# Altium PCB Remoter.PcbDoc
Units mm, origin at the board's own origin, x right, y up, seen from the top; angles counter-clockwise.
Board outline 97.99 x 57.6 mm, 2 copper layers (Top Layer, Bottom Layer); 85 components, 80 nets, 346 pads, 0 vias.
Unrouted connection lines stored in the file: 2.
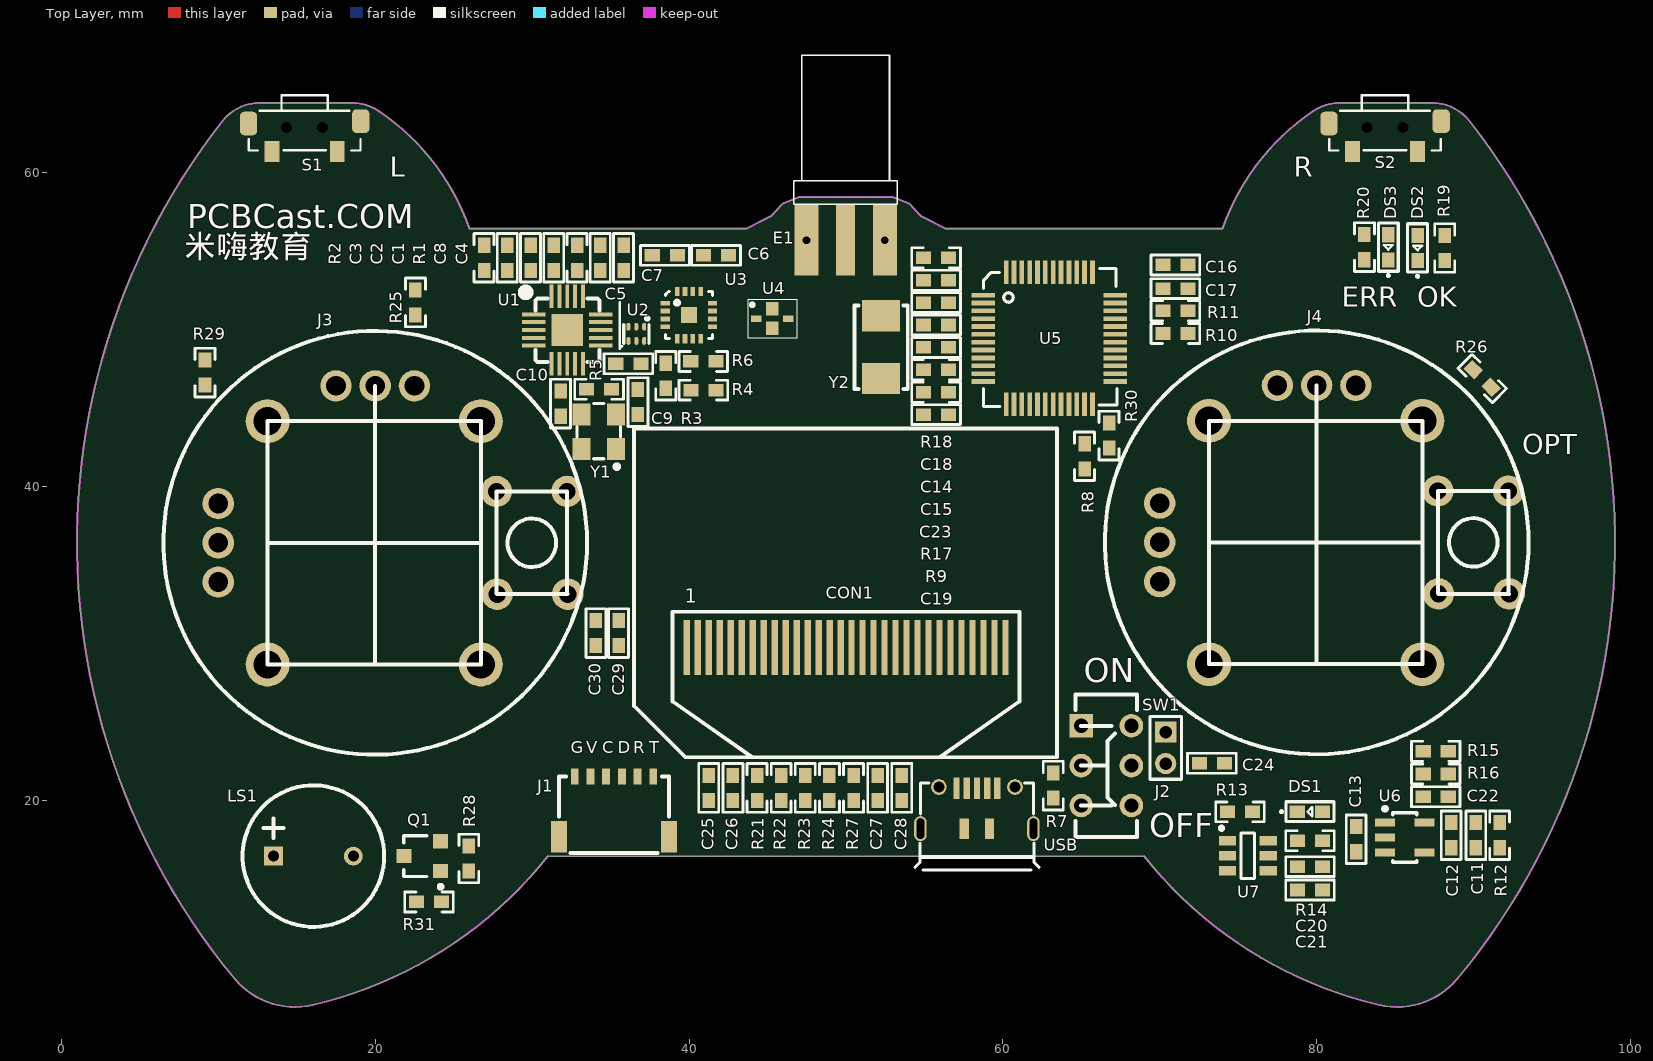
[diagram p0: Top Layer view]
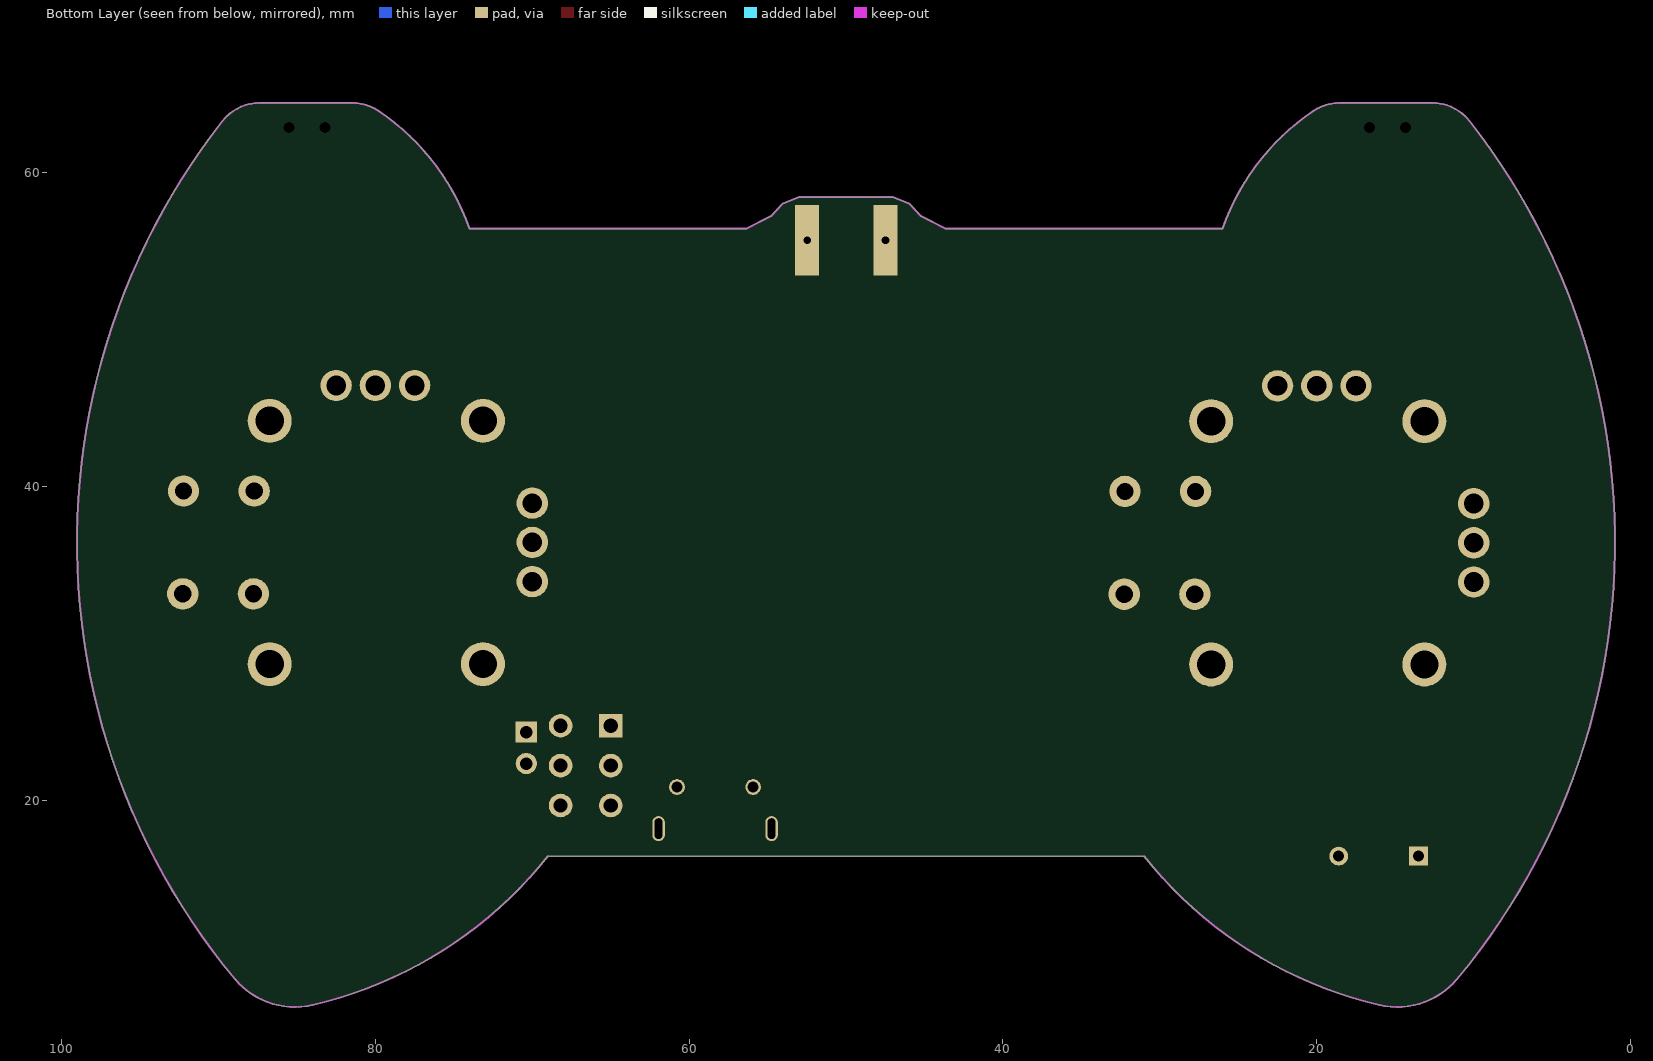
[diagram p1: Bottom Layer view, seen from below]

## Layer stack, top to bottom
Top Solder: solder mask 0.0102, Solder Resist, Dk 3.5
Top Layer: signal copper 0.0356
Dielectric 1: dielectric 0.32, FR-4, Dk 4.8
Bottom Layer: signal copper 0.0356
Bottom Solder: solder mask 0.0102, Solder Resist, Dk 3.5

## Board outline
11.043,8.621 ccw(c14.888,11.816) 16.027,6.948 ccw(c9.88,33.239) 31.001,16.42 69,16.42 ccw(c90.122,33.239) 83.975,6.948 ccw(c85.113,11.816) 88.959,8.621 ccw(c55.501,36.42) 89.723,63.272 ccw(c87.363,61.42) 87.363,64.42 81.457,64.42 ccw(c81.457,61.42) 79.782,63.909 ccw(c88.158,51.465) 74,56.42 56.326,56.42 54.777,57.212 54.027,58.011 53.001,58.42 47.001,58.42 45.975,58.011 45.224,57.212 43.675,56.42 26.001,56.42 ccw(c11.843,51.465) 20.219,63.909 ccw(c18.544,61.42) 18.544,64.42 12.638,64.42 ccw(c12.638,61.42) 10.278,63.272 ccw(c44.501,36.42)

## Design rules (kind name [scope] priority, off if disabled: settings)
Clearance [All] p1: gap=0.152 ignorepadtopadclearanceinfootprint=FALSE
ComponentClearance [All] p1: gap=0 collisioncheckmode=3 verticalgap=0 showdistances=FALSE
Height [All] p1: minheight=0 maxheight=1270 prefheight=1270
HoleSize [All] p1: absolutevalues=TRUE maxlimit=25.4 minlimit=0.025 maxpercent=80.000 minpercent=20.000
HoleToHoleClearance [All] p1: gap=0.152 allowstackedmicrovias=TRUE
MinimumSolderMaskSliver [All] p1: minsoldermaskwidth=0.102
PolygonConnect [All] p1: thpad.connectstyle=Direct thpad.reliefconductorwidth=0.254 thpad.reliefentries=4 thpad.polygonreliefangle="90 Angle" thpad.airgapwidth=0.254 smdpad.connectstyle=Relief smdpad.reliefconductorwidth=0.254 smdpad.reliefentries=4 smdpad.polygonreliefangle="90 Angle" smdpad.airgapwidth=0.254 via.connectstyle=Direct via.reliefconductorwidth=0.254 via.reliefentries=4 via.polygonreliefangle="90 Angle" via.airgapwidth=0.254
RoutingVias [All] p1: holewidth=0.305 width=0.508 viastyle="Through Hole" minholewidth=0.305 minwidth=0.508 maxholewidth=0.305 maxwidth=0.508
SilkToSilkClearance [All] p1: silktosilkclearance=0
SilkToSolderMaskClearance [IsPad] p1: minsilkscreentomaskgap=0 clearancetoexposedcopper=TRUE
SolderMaskExpansion [All] p1: expansion=0.102
Width Width_Power [InNetClass('Power')] p1: maxlimit=0.889 minlimit=0.152 preferedwidth=0.381
Width [All] p2: maxlimit=0.889 minlimit=0.152 preferedwidth=0.254
23 further rules are at their usual default settings.

## Classes and differential pairs
net class Power: 3.3V 3.3VA 5V AGND GND N_GND VCC

## Components (designator, comment, footprint, x,y, rotation, side; value= is the part's Value field where it differs from the comment)
C1 "333" C0603 31.382,54.556 r90 top
C2 "103" C0603 29.9,54.556 r270 top
C3 "104" C0603 28.418,54.556 r270 top
C4 "104" C0603 35.827,54.556 r270 top
C5 "222" C0603 36.132,47.8 r0 top
C6 "10uF" C0603 41.72,54.709 r180 top
C7 "103" C0603 38.459,54.709 r0 top
C8 "221" C0603 34.345,54.556 r270 top
C9 "22pF" C0603 36.741,45.361 r90 top
C10 "22pF" C0603 31.814,45.26 r90 top
C11 "10uF" C0603 90.132,17.762 r90 top
C12 "104" C0603 88.557,17.762 r90 top
C13 "10uF" C0603 82.504,17.51 r90 top
C14 "22pF" C0603 55.74,51.7 r0 top
C15 "22pF" C0603 55.74,50.273 r0 top
C16 "104" C0603 70.993,54.099 r180 top
C17 "104" C0603 70.993,52.589 r180 top
C18 "104" C0603 55.74,53.128 r0 top
C19 "104" C0603 55.74,44.561 r0 top
C20 "10uF" C0603 79.566,15.76 r180 top
C21 "104" C0603 79.566,14.272 r180 top
C22 "104" C0603 87.579,20.215 r0 top
C23 "104" C0603 55.74,48.845 r0 top
C24 "104" C0603 73.317,22.349 r0 top
C25 "1uF" C0603 41.258,20.774 r90 top
C26 "1uF" C0603 42.795,20.774 r90 top
C27 "10uF" C0603 52.019,20.774 r270 top
C28 "2.2uF" C0603 53.556,20.774 r270 top
C29 "104" C0603 35.509,30.642 r270 top
C30 "104" C0603 34.061,30.642 r270 top
CON1 "OLED 0.96" OLED_0.96-L 60.158,29.715 r180 top
DS1 "LED" LED0603 79.554,19.261 r0 top
DS2 "LED" LED0603 86.423,55.179 r90 top
DS3 "LED" LED0603 84.554,55.223 r90 top
E1 "ANTENNA" SMA-KHD 49.975,55.674 r270 top
J1 "SM06B-SRSS-TB" SM06B-SRSS-TB 35.217,19.58 r0 top
J2 "Header 2" HDR1X2-2MM 70.371,23.33 r270 top
J3 "Rocker" ROCKER-RKJXV1224005 24.321,34.744 r180 top locked
J4 "Rocker" ROCKER-RKJXV1224005 84.308,34.769 r180 top locked
LS1 "BEEP" BEEP-9 13.526,16.431 r0 top
Q1 "S8050" SOT-23R 23.127,16.431 r90 top
R1 "22K" R0603 32.863,54.556 r90 top
R2 "0R" R0603 26.937,54.556 r90 top
R3 "1K" R0603 38.519,47.038 r90 top
R4 "10K" R0603 40.913,46.123 r180 top
R5 "1M" R0603 34.265,46.174 r180 top
R6 "22K" R0603 40.907,47.952 r0 top
R7 "1K" R0603 63.208,20.927 r90 top
R8 "10K" R0603 65.204,41.907 r270 top
R9 "10R" R0603 55.74,45.989 r0 top
R10 "10R" R0603 70.993,49.73 r0 top
R11 "10R" R0603 70.993,51.181 r0 top
R12 "10R" R0603 91.648,17.762 r90 top
R13 "1K" R0603 75.103,19.25 r180 top
R14 "600R" R0603 79.566,17.406 r0 top
R15 "49.9K" R0603 87.579,23.111 r0 top
R16 "49.9K" R0603 87.579,21.663 r180 top
R17 "10K" R0603 55.74,47.417 r180 top
R18 "10K" R0603 55.74,54.556 r0 top
R19 "1K" R0603 88.15,55.179 r90 top
R20 "1K" R0603 83.032,55.234 r90 top
R21 "4.7K" R0603 44.332,20.774 r90 top
R22 "4.7K" R0603 45.87,20.774 r90 top
R23 "4.7K" R0603 47.407,20.774 r90 top
R24 "4.7K" R0603 48.944,20.774 r90 top
R25 "0" R0603 22.568,51.711 r90 top
R26 "0" R0603 90.538,46.867 r135 top
R27 "750K" R0603 50.481,20.774 r90 top
R28 "1K" R0603 25.972,16.281 r270 top
R29 "0" R0603 9.157,47.241 r90 top
R30 "0" R0603 66.764,43.228 r90 top
R31 "10K" R0603 23.432,13.51 r0 top
S1 "KEY" KEY-3X6X3.5-C 15.507,62.862 r0 top locked
S2 "KEY" KEY-3X6X3.5-C 84.348,62.862 r0 top locked
SW1 "SWITCH-4" SW-MSS22D18G2 64.986,24.737 r270 top
U1 "NRF24L01" QFN20 32.24,49.954 r0 top
U2 "2450BM14A0002" 0603-6 36.64,49.71 r270 top
U3 "RFX2401C" QFN-16 39.992,50.91 r0 top
U4 "2450BP14D0100" BALUN_250BP 45.301,50.688 r0 top
U5 "STM32F103C8T6" LQFP-48 62.954,49.425 r0 top
U6 "RT9193-3.3" SOT-23-5 85.603,17.612 r0 top
U7 "TP4059" SOT23-6 75.603,16.456 r0 top
USB "USB-B(Mini)" USB-MICROUSB 58.344,20.758 r180 top (schematic designator USB_SLAVE1)
Y1 "16MHz" X-TSX-3225 34.252,43.482 r90 top
Y2 "8MHz" X-NX5032GA 52.235,48.867 r270 top

## Footprints (in the part's own frame and the unit in brackets; to place one, negate y for a bottom-side part, rotate by r counter-clockwise, add the part's x,y. Pads: shape width x height; smd on the part's side, far side on the other; paste and mask are expansions set on the pad)
0603-6 [mm]
  oval 0.5x0.25 smd: 1(-0.45,0.5) 2(-0.45,0) 3(-0.45,-0.5) 4(0.45,-0.5) 5(0.45,0) 6(0.45,0.5)
  silkscreen extent -1.05,-0.8 0.6,0.8, body extent -0.4,-0.8 0.4,0.8, height 0.6
BALUN_250BP [mm]
  rect 0.8x0.85 smd: 1(0,0.622) 3(0,-0.622)
  rect 0.65x0.4 smd: 2(1.016,-0.013) 4(-1.016,-0.013)
  silkscreen extent -1.57,-1.23 1.6,1.23, body extent -1.02,-0.65 1.02,0.62, height 1.02
BEEP-9 [mm]
  rect 1.2x1.2 hole 0.7: 1(0,0)
  round 1.2 hole 0.7: 2(5.08,0)
  silkscreen extent -1.97,-4.51 7.05,4.51, body extent -1.98,-4.49 7.02,4.51, height 5
C0603 [mm] "Chip Capacitor, Body 1.6x0.8mm, IPC High Density"
  rect 0.965x0.8 smd: 1(-0.8,0) 2(0.8,0)
  silkscreen extent -1.55,-0.64 1.55,0.64, body extent -1.23,-0.4 1.23,0.4, height 0.8
HDR1X2-2MM [mm]
  rect 1.35x1.35 hole 0.8: 1(-1,0)
  round 1.35 hole 0.8: 2(1,0)
  silkscreen extent -2,-1 2,1
KEY-3X6X3.5-C [mm]
  rect 0.95x1.34 smd: 1(-2.075,-1.52) 2(2.075,-1.52)
  rrect50% 1.1x1.5 smd: ""(-3.575,0.25) ""(3.575,0.4)
  round 0 hole 0.7 unplated: ""(-1.15,0) ""(1.15,0)
  silkscreen extent -3.56,-1.47 3.56,2.05, body extent -3.9,-1.73 3.9,1.87, height 3.5
LED0603 [mm]
  rect 0.965x0.8 smd: 1(0.8,0) 2(-0.8,0)
  silkscreen extent -1.87,-0.64 1.55,0.64, body extent -0.8,-0.4 0.8,0.4, height 0.6
LQFP-48 [mm]
  rect 1.5x0.3 smd: 1(-4.2,2.75) 2(-4.2,2.25) 3(-4.2,1.75) 4(-4.2,1.25) 5(-4.2,0.75) 6(-4.2,0.25) 7(-4.2,-0.25) 8(-4.2,-0.75) 9(-4.2,-1.25) 10(-4.2,-1.75) 11(-4.2,-2.25) 12(-4.2,-2.75) 25(4.2,-2.75) 26(4.2,-2.25) 27(4.2,-1.75) 28(4.2,-1.25) 29(4.2,-0.75) 30(4.2,-0.25) 31(4.2,0.25) 32(4.2,0.75) 33(4.2,1.25) 34(4.2,1.75) 35(4.2,2.25) 36(4.2,2.75)
  rect 0.3x1.5 smd: 13(-2.75,-4.2) 14(-2.25,-4.2) 15(-1.75,-4.2) 16(-1.25,-4.2) 17(-0.75,-4.2) 18(-0.25,-4.2) 19(0.25,-4.2) 20(0.75,-4.2) 21(1.25,-4.2) 22(1.75,-4.2) 23(2.25,-4.2) 24(2.75,-4.2) 37(2.75,4.2) 38(2.25,4.2) 39(1.75,4.2) 40(1.25,4.2) 41(0.75,4.2) 42(0.25,4.2) 43(-0.25,4.2) 44(-0.75,4.2) 45(-1.25,4.2) 46(-1.75,4.2) 47(-2.25,4.2) 48(-2.75,4.2)
  silkscreen extent -4.2,-4.34 4.31,4.45, body extent -4.5,-4.5 4.5,4.5, height 1.57
OLED_0.96-L [mm]
  rect 0.4x3.5 smd: 1(20.3,0) 2(19.6,0) 3(18.9,0) 4(18.2,0) 5(17.5,0) 6(16.8,0) 7(16.1,0) 8(15.4,0) 9(14.7,0) 10(14,0) 11(13.3,0) 12(12.6,0) 13(11.9,0) 14(11.2,0) 15(10.5,0) 16(9.8,0) 17(9.1,0) 18(8.4,0) 19(7.7,0) 20(7,0) 21(6.3,0) 22(5.6,0) 23(4.9,0) 24(4.2,0) 25(3.5,0) 26(2.8,0) 27(2.1,0) 28(1.4,0) 29(0.7,0) 30(0,0)
  silkscreen extent -3.3,-13.97 23.66,6.99, body extent -3.01,-14.05 23.49,5.23, height 1.46
QFN20 [mm]
  rect 1.5x0.25 smd: 1(-2.143,1) 2(-2.143,0.5) 3(-2.143,0) 4(-2.143,-0.5) 5(-2.143,-1) 11(2.143,-1) 12(2.143,-0.5) 13(2.143,0) 14(2.143,0.5) 15(2.143,1)
  rect 0.25x1.5 smd: 6(-1,-2.143) 7(-0.5,-2.143) 8(0,-2.143) 9(0.5,-2.143) 10(1,-2.143) 16(1,2.143) 17(0.5,2.143) 18(0,2.143) 19(-0.5,2.143) 20(-1,2.143)
  rect 2.032x2.032 smd: 21(0,0)
  silkscreen extent -2.9,-2.05 2.05,2.65, body extent -1.5,-1.5 1.5,1.5, height 0.62
QFN-16 [mm]
  rect 0.6x0.3 smd: 1(-1.5,0.75) 2(-1.5,0.25) 3(-1.5,-0.25) 4(-1.5,-0.75) 9(1.5,-0.75) 10(1.5,-0.25) 11(1.5,0.25) 12(1.5,0.75)
  rect 0.3x0.6 smd: 5(-0.75,-1.5) 6(-0.25,-1.5) 7(0.25,-1.5) 8(0.75,-1.5) 13(0.75,1.5) 14(0.25,1.5) 15(-0.25,1.5) 16(-0.75,1.5)
  rect 1x1 smd: 17(0,0)
  silkscreen extent -1.5,-1.5 1.5,1.5, body extent -1.5,-1.5 1.5,1.5, height 0.9
R0603 [mm] "Resistor,Chip, Body 1.6x0.8mm, IPC High Density"
  rect 0.965x0.8 smd: 1(-0.8,0) 2(0.8,0)
  silkscreen extent -1.55,-0.64 1.55,0.64, body extent -1.23,-0.4 1.23,0.4, height 0.8
ROCKER-RKJXV1224005 [mm]
  round 2.8 hole 1.8: 0(-2.413,6.102) 0(-2.413,-9.398) 0(11.176,6.102) 0(11.176,-9.398)
  round 2 hole 1.25: 1(14.318,0.849) 2(14.318,-1.651) 3(14.318,-4.151) 4(6.818,-11.651) 5(4.318,-11.651) 6(1.818,-11.651)
  round 2 hole 1.1: J1(-7.95,1.626) J1(-7.904,-4.925) J2(-3.45,1.626) J2(-3.404,-4.925)
  silkscreen extent -9.18,-15.15 17.81,11.85, body extent -11.57,-14.78 17.61,11.52, height 29.13
SM06B-SRSS-TB [mm] "1mm"
  rect 0.5x1 smd: 1(-2.5,1.925) 2(-1.5,1.925) 3(-0.5,1.925) 4(0.5,1.925) 5(1.5,1.925) 6(2.5,1.925)
  rect 1x2 smd: 7(-3.5,-1.925) 7(3.5,-1.925)
  silkscreen extent -3.51,-2.95 3.51,1.92, body extent -4,-2.83 4,2.12, height 2.9
SMA-KHD [mm]
  rect 4.5x1.2 smd: 1(0,0)
  rect 4.5x1.524 hole 0.5: 2(0,2.5) 2(0,-2.5)
  silkscreen extent -11.8,-3.3 -2.3,3.3, body extent -12.1,-3.08 1.4,3.02, height 3.2
SOT23-6 [mm]
  rect 1.1x0.6 smd: 1(-1.3,0.95) 2(-1.3,0) 3(-1.3,-0.95) 4(1.3,-0.95) 5(1.3,0) 6(1.3,0.95)
  silkscreen extent -1.73,-1.45 0.43,1.8, body extent -1.21,-1.4 1.21,1.4, height 1.09
SOT-23-5 [mil]
  rect 50x20 smd: 1(-50,37.4) 2(-50,0) 3(-50,-37.4) 4(50,-37.4) 5(50,37.4)
  silkscreen extent -50,-62 30,72, body extent -55,-57 55,57, height 47
SOT-23R [mm]
  rect 0.9x0.95 smd: 1(0.95,-1.048) 2(-0.95,-1.048) 3(0,1.302)
  silkscreen extent -2.07,-1.17 1.3,1.3, body extent -1.44,-1.26 1.46,1.54, height 1.2
SW-MSS22D18G2 [mm]
  rect 1.5x1.5 hole 0.9: 1(0,0)
  round 1.5 hole 0.9: 2(2.54,0) 3(5.08,0) 4(5.08,3.2) 5(2.54,3.2) 6(0,3.2)
  silkscreen extent -2.01,-0.36 7.09,3.56, body extent -1.93,-0.23 7.07,3.37, height 5.5
USB-MICROUSB [mm] "MicroUSB"
  rect 0.4x1.35 smd: 1(1.3,0) 2(0.65,0) 3(0,0) 4(-0.65,0) 5(-1.3,0)
  rect 0.6x1.3 smd: 6(-0.8,2.575) 7(0.8,2.575)
  oval 0.8x1.6 hole 0.5 slot 1.3 at 90 deg: ""(-3.6,2.575) ""(3.6,2.575)
  round 1 hole 0.7: ""(-2.425,-0.075) ""(2.425,-0.075)
  silkscreen extent -3.96,-0.33 3.95,5.21, body extent -4.1,-0.24 4.1,5.19, height 2.68
X-NX5032GA [mm] "贴片封装晶振"
  rect 2x2.4 smd: 1(-2,0) 2(2,0)
  silkscreen extent -2.66,-1.7 2.66,1.7, body extent -2.5,-1.6 2.5,1.6, height 1.3
X-TSX-3225 [mm] "26MHz Crystal"
  rect 1.4x1.15 smd: 1(-1.1,-1.1) 2(1.1,-1.1) 3(1.1,1.1) 4(-1.1,1.1)
  silkscreen extent -2.26,-1.37 1.78,1.4, body extent -1.57,-1.25 1.63,1.25, height 0.61

## Part data
C1 C2 C3 C4 C5 C6 C7 C8 C9 C10 C11 C12 C13 C14 C15 C16 C17 C18 C19 C20 C21 C22 C23 C24 C25 C26 C27 C28 C29 C30: library part C0603, "电容", LatestRevisionDate=17-Jul-2002, LatestRevisionNote="Re-released for DXP Platform.", PackageDescription="Radial Cap, Thru-Hole; 2 Leads; 0.3 in Pin Spacing", PackageReference=RAD-0.3, Published=8-Jun-2000, Publisher="Altium Limited", UnitPrice=0.02
DS1 DS2 DS3: "Typical RED, GREEN, YELLOW, AMBER GaAs LED", PackageDocument=Feb-2002, LatestRevisionDate=17-Jul-2002, LatestRevisionNote="Re-released for DXP Platform.", PackageReference=3.2X1.6X1.1, Published=8-Jun-2000, Publisher="Altium Limited", UnitPrice=0.05
J2: "Header, 2-Pin", LatestRevisionDate=17-Jul-2002, LatestRevisionNote="Re-released for DXP Platform.", Publisher="Altium Limited"
J3 J4: "航模摇杆"
LS1: "蜂鸣器", UnitPrice=0.5
Q1: library part NPN, "8050/BCW846/BCW847"
R1 R2 R3 R4 R5 R6 R7 R8 R9 R10 R11 R12 R13 R14 R15 R16 R17 R18 R19 R20 R21 R22 R23 R24 R25 R26 R27 R28 R29 R30 R31: library part RES0603, "电阻", LatestRevisionDate=17-Jul-2002, LatestRevisionNote="Re-released for DXP Platform.", PackageDescription="Axial Device, Thru-Hole; 2 Leads; 0.3 in Pin Spacing", PackageReference=AXIAL-0.3, Published=8-Jun-2000, Publisher="Altium Limited"
S1 S2: "普通轻触按钮"
U1: library part NRF24xx
U2: library part BALUN
U4: library part BALUN-1
U7: "锂电池充电IC"
USB: library part USB5
Y1: library part XTAL_1, "Crystal Oscillator", LatestRevisionDate=17-Jul-2002, LatestRevisionNote="Re-released for DXP Platform.", Published=8-Jun-2000, Publisher="Altium Limited"
Y2: library part XTAL, "Crystal Oscillator", LatestRevisionDate=17-Jul-2002, LatestRevisionNote="Re-released for DXP Platform.", Published=8-Jun-2000, Publisher="Altium Limited"
E1: UnitPrice=1.3

## Nets (pads, with @x,y where several pads share a name; then routed paths per layer and width w, separated by ;. In a path a pad name is that pad's centre, name@x,y a point inside that pad or via, vN(x,y) a via of type N, cw(c..) or ccw(c..) an arc to the next point about the centre after c; other vN are vias at no path point)
3.3V: C2.2 C3.2 C4.2 C6.2 C7.2 C8.2 C11.2 C12.2 C16.2 C17.2 C18.2 C29.1 C30.1 CON1.6 CON1.9 DS2.1 DS3.1 J1.2 LS1.1 R4.1 R7.2 R9.1 R17.2 R23.1 R24.1 R25.2 R26.2 R29.2 R30.2 U1.7 U1.15 U1.18 U3.14 U3.16 U5.1 U5.24 U5.36 U5.48 U6.5
3.3VA: C19.2 R9.2 U5.9
5V: C20.2 C21.2 DS1.1 SW1.3 U7.4 USB.1
ADC_BAT: C22.2 R15.2 R16.1 U5.10
ADC_PITCH: J4.2 U5.12
ADC_ROLL: J4.5 U5.11
ADC_THRUST: J3.2 U5.19
ADC_YAW: J3.5 U5.18
AGND: C19.1 J3.4 J3.J1 J4.4 J4.J1 R12.2 U5.8
BAT: C24.1 J2.2 R15.1 SW1.5
BAT_CHG: SW1.4 U7.3
BEEP: R28.1 U5.3
BOOT0: R18.2 U5.44
GND: C11.1 C12.1 C13.1 C14.1 C15.1 C16.1 C17.1 C18.1 C20.1 C21.1 C22.1 C23.1 C24.2 C27.2 C28.2 C29.2 C30.2 CON1.1 CON1.8 CON1.12 CON1.13 CON1.16 CON1.17 CON1.21 CON1.22 CON1.23 CON1.24 CON1.25 CON1.29 CON1.30 J1.1 J2.1 J3.1 J4.1 Q1.1 R2.1 R8.1 R12.1 R14.2 R16.2 R18.1 R21.1 R22.1 R27.1 R31.1 S1.1 S2.1 U5.23 U5.35 U5.47 U6.2 U7.2 USB.5
KEY_L: S1.2 U5.22
KEY_R: S2.2 U5.4
KEY_STICK1: J3.J2 U5.21
KEY_STICK2: J4.J2 U5.29
LED0: R19.2 U5.43
LED1: R20.2 U5.39
N_GND: C1.2 C2.1 C3.1 C4.1 C5.1 C6.1 C7.1 C8.1 C9.1 C10.1 R1.2 R2.2 R6.2 U1.8 U1.14 U1.17 U1.20 U1.21 U2.2 U2.6 U3.1 U3.2 U3.3 U3.7 U3.8 U3.9 U3.11 U3.12 U3.15 U3.17 U4.1 U4.3 Y1.2 Y1.4
NetC1_1: C1.1 U1.19
NetC5_2: C5.2 R3.2 U1.11 U2.5
NetC14_2: C14.2 U5.5 Y2.1
NetC15_2: C15.2 U5.6 Y2.2
NetC25_1: C25.1 CON1.2
NetC25_2: C25.2 CON1.3
NetC26_1: C26.1 CON1.4
NetC26_2: C26.2 CON1.5
NetC27_1: C27.1 CON1.27
NetC28_1: C28.1 CON1.28
NetCON1_10: CON1.10 R21.2
NetCON1_11: CON1.11 R22.2
NetCON1_26: CON1.26 R27.2
NetDS1_2: DS1.2 R13.1
NetDS2_2: DS2.2 R19.1
NetDS3_2: DS3.2 R20.1
NetE1_1: E1.1 U4.2
NetJ3_3: J3.3 R29.1
NetJ3_6: J3.6 R25.1
NetJ4_3: J4.3 R30.1
NetJ4_6: J4.6 R26.1
NetLS1_2: LS1.2 Q1.3
NetQ1_2: Q1.2 R28.2 R31.2
NetR1_1: R1.1 U1.16
NetR3_1: R3.1 U3.5
NetR4_2: R4.2 R6.1 U3.6
NetR7_1: R7.1 R11.2 USB.3
NetR8_2: R8.2 U5.20
NetR10_2: R10.2 USB.2
NetR13_2: R13.2 U7.1
NetR14_1: R14.1 U7.6
NetU1_12: U1.12 U2.4
NetU1_13: U1.13 U2.3
NetU2_1: U2.1 U3.4
NetU3_10: U3.10 U4.4
NRF_CE: U1.1 U5.13
NRF_CSN: U1.2 U5.14
NRF_IRQ: U1.6 U5.2
NRF_MISO: U1.5 U5.16
NRF_MOSI: U1.4 U5.17
NRF_SCK: U1.3 U5.15
O_CLK: CON1.18 R23.2 U5.26
O_DC: CON1.15 U5.25
O_MOSI: CON1.19 R24.2 U5.28
O_RST: CON1.14 U5.27
RST: C23.2 R17.1 U5.7
RXD: 
SWCLK: 
SWD_CLK: J1.3 U5.37
SWD_DIO: J1.4 U5.34
SWDIO: 
TXD: 
USART_RX: J1.5 U5.31
USART_TX: J1.6 U5.30
USB_DM: R10.1 U5.32
USB_DP: R11.1 U5.33
VCC: C13.2 SW1.2 SW1.6 U6.1 U6.3
XC1: C9.2 R5.1 U1.10 Y1.1
XC2: C10.2 R5.2 U1.9 Y1.3
pads on no net: CON1.7 CON1.20 E1.2 J1.7 J3.0 J4.0 S1. S2. SW1.1 U3.13 U5.38 U5.40 U5.41 U5.42 U5.45 U5.46 U6.4 U7.5 USB. USB.4 USB.6 USB.7

## Keep-outs
Keep-Out Layer:
  lines w0.127: 31.001,16.42 cw(c9.88,33.239) 16.027,6.948 cw(c14.888,11.816) 11.043,8.621 cw(c44.501,36.42) 10.278,63.272 cw(c12.638,61.42) 12.638,64.42 18.544,64.42 cw(c18.544,61.42) 20.219,63.909 cw(c11.843,51.465) 26.001,56.42 43.675,56.42 45.224,57.212 45.975,58.011 47.001,58.42 53.001,58.42 54.027,58.011 54.777,57.212 56.326,56.42 74,56.42 cw(c88.158,51.465) 79.782,63.909 cw(c81.457,61.42) 81.457,64.42 87.363,64.42 cw(c87.363,61.42) 89.723,63.272 cw(c55.501,36.42) 88.959,8.621 cw(c85.113,11.816) 83.975,6.948 cw(c90.122,33.239) 69,16.42

## Other copper
Bottom Layer:
  pour cut-out: 49.215,58.2 49.222,53.271 49.571,53.271 cw(c49.442,53.137) 49.628,53.14 49.628,52.619 cw(c48.369,52.619) 49.259,51.729 49.239,51.709 cw(c47.968,52.98) 47.968,51.183 45.629,51.183 45.625,51.327 41.967,51.327 41.967,50.306 47.951,50.306 ccw(c47.982,52.585) 49.571,50.952 49.848,51.229 ccw(c48.477,52.479) 50.33,52.564 50.33,53.143 cw(c50.512,53.143) 50.383,53.271 50.727,53.271 50.727,58.193
  pour cut-out: 33.483,50.326 35.719,50.326 ccw(c35.719,50.553) 35.878,50.393 cw(c36.486,49.785) 36.486,50.645 36.639,50.645 cw(c36.747,50.536) 36.747,50.69 39.151,50.69 39.151,49.134 cw(c38.848,48.825) 39.281,48.825 39.281,47.038 36.487,47.038 cw(c36.487,47.254) 36.335,47.101 cw(c36.674,47.441) 36.194,47.441 36.194,48.081 35.914,48.362 ccw(c35.153,47.602) 35.153,48.677 33.472,48.677

## Silkscreen, mask and mechanical layers (free items; w line width, h text height)
Top Overlay:
  lines w0.152: 35.573,51.737 35.573,48.765 35.738,48.93
  text "L" at 20.938,59.718 h1.27
  text "R" at 78.537,59.718 h1.27
  text "PCBCast.COM" at 8.039,56.436 h1.52
  text "米嗨教育" at 7.849,54.051 h2.54
  text "ERR" at 81.597,51.427 h1.27
  text "OK" at 86.385,51.427 h1.27
  text "OPT" at 93.091,42.037 h1.27
  text "1" at 39.711,32.56 h0.89
  text "ON" at 65.164,27.505 h1.52
  text "G" at 32.456,23.001 h0.76
  text "V" at 33.456,23.001 h0.76
  text "C" at 34.456,23.001 h0.76
  text "D" at 35.456,23.001 h0.76
  text "R" at 36.456,23.001 h0.76
  text "T" at 37.456,23.001 h0.76
  text "OFF" at 69.308,17.625 h1.52
Mechanical 1:
  lines w0.127: 10.278,63.272 ccw(c44.501,36.42) 11.043,8.621 ccw(c14.888,11.816) 16.027,6.948 ccw(c9.88,33.239) 31.001,16.42 53.162,16.42 69,16.42 ccw(c90.122,33.239) 83.975,6.948 ccw(c85.113,11.816) 88.959,8.621 ccw(c55.501,36.42) 89.723,63.272 ccw(c87.363,61.42) 87.363,64.42 81.457,64.42 ccw(c81.457,61.42) 79.782,63.909 ccw(c88.158,51.465) 74,56.42 56.326,56.42 54.777,57.212 54.027,58.011 53.001,58.42 47.001,58.42 45.975,58.011 45.224,57.212 43.675,56.42 26.001,56.42 ccw(c11.843,51.465) 20.219,63.909 ccw(c18.544,61.42) 18.544,64.42 12.638,64.42 ccw(c12.638,61.42) 10.278,63.272
Mechanical 2:
  lines w0.127: 11.043,8.621 ccw(c14.888,11.816) 16.027,6.948 cw(c14.888,11.816) 11.043,8.621
Mechanical 15:
  circle w0.006: c50,36.421 r0.003